# KiCad board hw-tele-stern.kicad_pcb (continued)
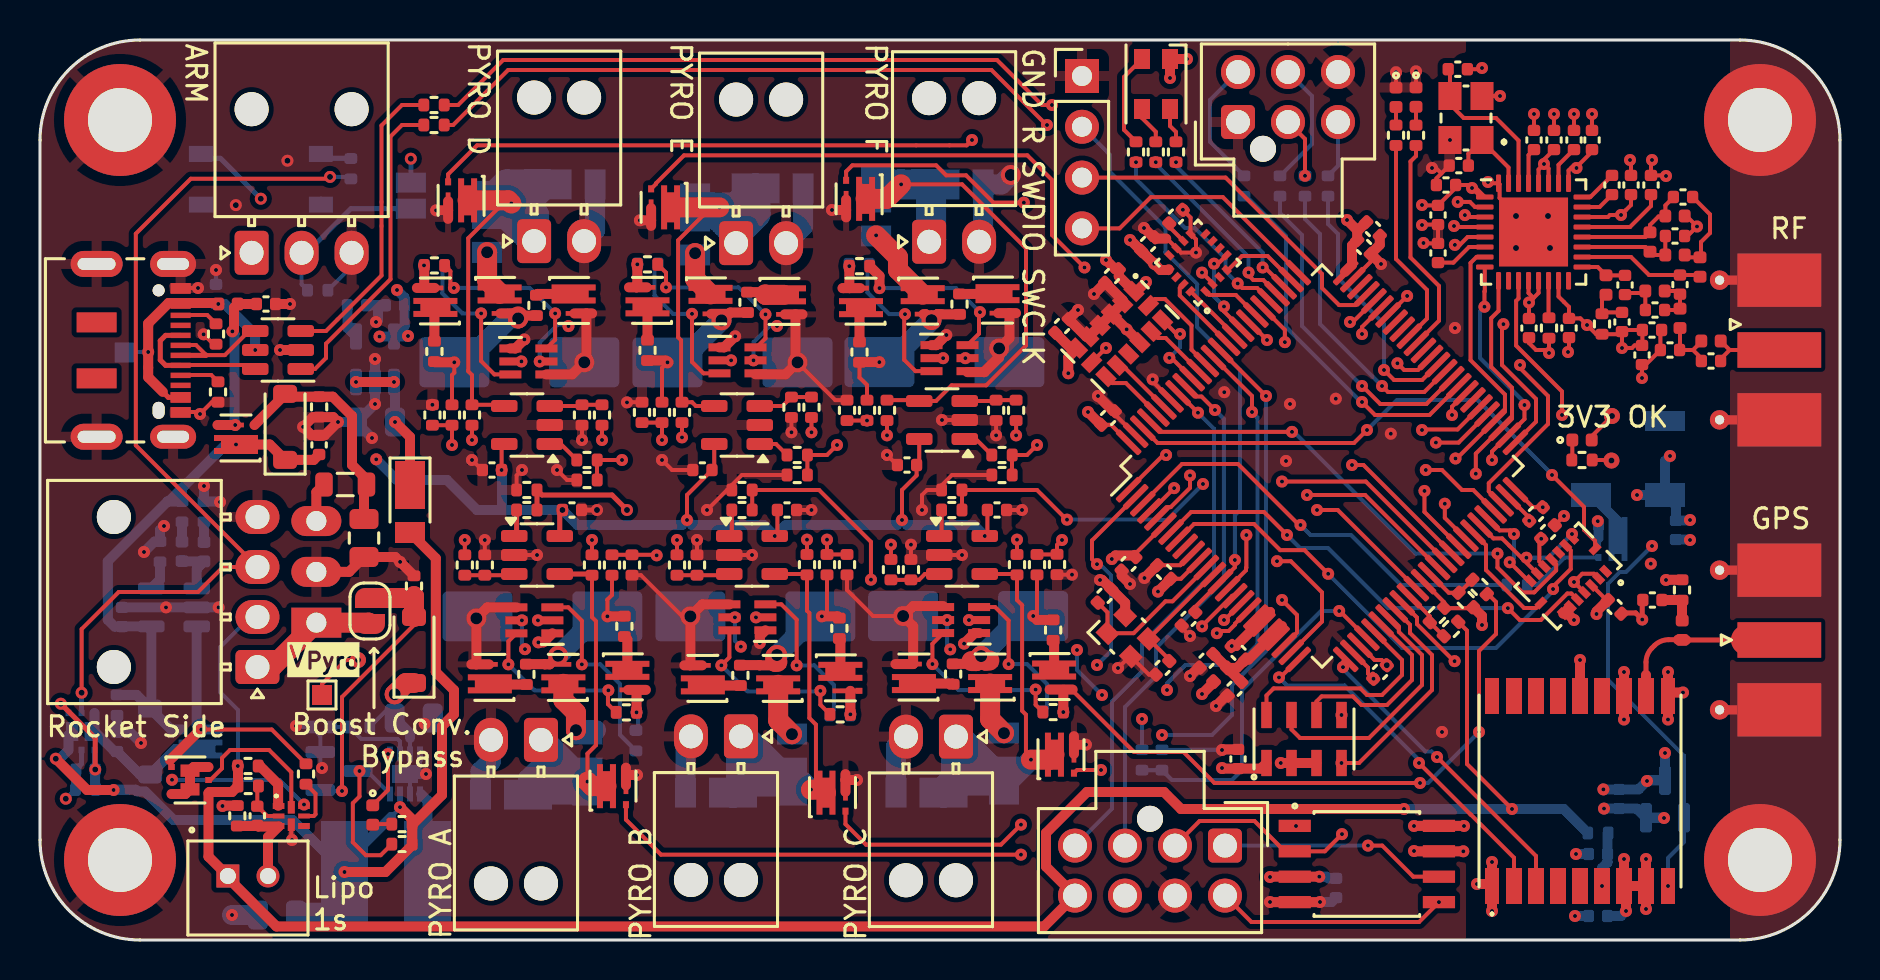
[diagram p0: board, top side]
## Routing (per net, layer and track width the routed paths; a pad name or vN(x,y) marks a point on that pad's centre or on a via; arc(x,y) is an arc through that point) (continued)
VBUS: length 8
  F.Cu (Sig+GND) w0.5: Q2.2 v1(9.76,25.75) ; v1(9.62,30.43) 9.7,30.51 9.7,31.61 FB1.2 C15.1
  B.Cu (Sig+12v) w0.5: v1(9.62,30.43) 9.73,30.32 9.73,25.78 v1(9.76,25.75)
+BATT: length 103.1
  F.Cu (Sig+GND) w0.2: v1(73.6,6.55) 71.35,8.8 71.35,15.47 R25.1
  F.Cu (Sig+GND) w0.5: v1(68.2,6.55) 57.05,6.55 56.2,7.4 52.35,7.4 50.3,5.35 50.3,3.67 J9.8 50.21,0.68 11.82,0.68 9.39,3.11 B1.1 8.42,4.17 Q5.4 8.48,7.4 9.6,7.4 R14.1 9.9,8.69 v1(9.89,8.7)
  B.Cu (Sig+12v) w0.2: J1.2 10.51,16.15 9,14.64 9,12.4 9.9,11.5 9.9,8.71 v1(9.89,8.7)
  B.Cu (Sig+12v) w0.5: v1(68.2,6.55) v1(73.6,6.55) 76.19,6.55 R32.2
-BATT: length 4.8
  F.Cu (Sig+GND) w0.5: B1.2 11.4,5.14 11.93,5.67 10.92,5.67 C13.1 10.84,5.7 R13.2
/ARM: length 104
  F.Cu (Sig+GND) w0.2: Q11.2 46.45,16 v1(46.45,16) ; v1(24.9,15.98) Q9.2 ; v1(24.07,28.93) 24.07,28.93 Q14.2 ; v1(45.16,29.09) 45.15,29.09 Q19.2 ; Q16.2 v1(34.56,28.98)
  In2.Cu (Sig) w0.2: J2.2 14.54,32.9 16.6,32.9 19.02,30.48 ; v1(51.85,14.5) 51.1,15.25 47.19,15.25 v1(46.45,16) 46.45,15.92 45.85,15.32 36.61,15.32 v1(35.8,16.13) 35.69,16.13 34.86,15.31 25.57,15.31 v1(24.9,15.98) 24.9,15.97 24.13,15.21 19.76,15.21 18.6,16.37 18.6,27.79 19.02,28.21 19.02,30.48 ; 19.02,30.48 22.52,30.48 v1(24.07,28.93) 24.93,29.78 33.75,29.78 v1(34.56,28.98) 35.33,29.76 44.49,29.76 v1(45.16,29.09) ; v1(53.1,12.25) 53.9,12.25 v1(55.1,11.05)
  B.Cu (Sig+12v) w0.2: R103.1 13.08,32.78 J2.2 ; v1(53.1,12.25) 51.85,13.5 v1(51.85,14.5) ; v1(55.1,11.05) R20.1
  B.Cu (Sig+12v) w0.25: JP2.1 15.54,36.56 13.34,34.36 J2.2
/arm_3v3: length 17.9
  F.Cu (Sig+GND) w0.2: U7.29 64.99,16.45 v1(64.96,16.45)
  B.Cu (Sig+12v) w0.2: v1(64.96,16.45) 64.05,16.45 60.1,12.5 60.1,8.5 59.6,8 56.59,8 R36.1 R20.2
/Barometer/CS: length 13.2
  F.Cu (Sig+GND) w0.2: v1(65.08,8.85) 65.95,8.85 69.6,12.5 69.6,14.25 68.5,15.35 68.5,15.76 U7.33
  In2.Cu (Sig) w0.2: v1(65.08,8.85) v1(65.08,11.25)
/Barometer/miso: length 9.7
  F.Cu (Sig+GND) w0.2: U7.31 68.6,14.25 68.6,13 67.35,11.75 66.08,11.75 65.64,12.18 64.08,12.18 63.83,11.92 U4.6
/Barometer/mosi: length 12.6
  F.Cu (Sig+GND) w0.2: U7.32 67.94,15.61 67.94,15.41 69.1,14.25 69.1,12.75 66.45,10.1 63,10.1 62.58,10.53 U4.7
/Barometer/sck: length 11.2
  F.Cu (Sig+GND) w0.2: U7.30 66.7,15.4 68.1,14 68.1,13.25 67.1,12.25 66.35,12.25 66.02,12.58 61.68,12.58 61.33,12.22 U4.8
/bat_cutoff: length 53.8
  F.Cu (Sig+GND) w0.2: v4(14.5,38.15) 14.41,38.06 7.54,38.06 4.79,35.31 4.79,24.73 J1.3 9.15,18.65 7.9,17.4 3.94,17.4 2.08,15.54 v4(2.08,12.36)
  In2.Cu (Sig) w0.2: v4(2.08,12.36) 2.08,9.85 1.79,9.56 1.79,8.31 1.29,7.81 v4(1.29,7.06)
  B.Cu (Sig+12v) w0.2: R3.2 1.75,7.53 v4(1.29,7.06) ; R174.1 15.44,38.15 v4(14.5,38.15)
  B.Cu (Sig+12v) w0.25: Q3.5 2.07,12.36 v4(2.08,12.36) ; C3.2 2.07,8.8 Q3.2
  B.Cu (Sig+12v) w0.5: R3.2 1.8,7.55 C3.2
/GPS/gps_ant_50ohm: length 10
  F.Cu (Sig+GND) w0.245: 82.3,15 85.3,15 ; IC2.11 80.3,13.89 arc(80.38,14.27) 80.59,14.59 80.72,14.72 arc(81.05,14.94) 81.43,15.02 81.9,15.02
  F.Cu (Sig+GND) w0.5: IC2.11 80.3,13.25 ; 82.3,15 82.11,15 82.1,15.02 81.9,15.02
  F.Cu (Sig+GND) w1.5: J91.1 85.3,15
/GPS/gps_vbckp: length 2.8
  B.Cu (Sig+12v) w0.5: R32.1 78.38,5.32 C49.1 78.38,3.88 78.1,3.6 v1(78.1,2.7)
/GPS/gps_vcc_rf: length 10
  F.Cu (Sig+GND) w0.5: v1(81.3,18) 81.31,18.01 R64.1 ; IC2.14 v1(77,14)
  In2.Cu (Sig) w0.5: v1(81.3,18) 81.3,15.61 81.3,15.61 79.79,14.1 77.1,14.1 v1(77,14)
/GPS/rx: length 18.3
  F.Cu (Sig+GND) w0.2: IC2.2 73.7,4.11 71.54,6.28 71.52,6.28 v1(68.95,8.85) ; U7.25 62.01,13.13 v1(61.95,13.13)
  B.Cu (Sig+12v) w0.2: v1(61.95,13.13) 62.35,12.72 65.23,12.72 68.95,9 v1(68.95,8.85)
/GPS/tx: length 15.6
  F.Cu (Sig+GND) w0.2: U7.26 65.15,13.9 v1(65.15,13.64) ; IC2.3 74.8,4.2 v1(69.85,9.15)
  B.Cu (Sig+12v) w0.2: v1(69.85,9.15) 69.57,9.42 69.27,9.42 65.15,13.55 v1(65.15,13.64)
/High-G-Accelerometer/CS: length 18
  F.Cu (Sig+GND) w0.2: U3.7 v1(53.3,29.6) ; v1(67.87,28.84) 68.21,28.5 68.9,28.5 U7.63
  In2.Cu (Sig) w0.2: v1(53.3,29.6) 53.36,29.66 57.19,29.66 57.65,29.2 67.51,29.2 v1(67.87,28.84)
/High-G-Accelerometer/INT1: length 3.3
  F.Cu (Sig+GND) w0.2: U7.96 54.3,27.85 53.63,27.85 U3.8
/High-G-Accelerometer/INT2: length 3.2
  F.Cu (Sig+GND) w0.2: U3.9 54.11,28.74 U7.95
/High-G-Accelerometer/miso: length 3.2
  F.Cu (Sig+GND) w0.2: U3.12 55.9,30.1 56.29,30.1 U7.90
/High-G-Accelerometer/mosi: length 4.2
  F.Cu (Sig+GND) w0.2: v1(57,30.3) 56.83,30.3 U3.13 ; U7.91 56.57,29.11 v1(56.47,29.11)
  B.Cu (Sig+12v) w0.2: v1(57,30.3) 57,29.64 v1(56.47,29.11)
/High-G-Accelerometer/sck: length 5.1
  F.Cu (Sig+GND) w0.2: U7.89 57.58,29.52 57.58,30.72 56.25,32.05 55.75,32.05 U3.14
/IMU/CS_accel: length 25.6
  F.Cu (Sig+GND) w0.2: v1(64.41,18.31) 63.23,19.49 62.01,19.49 60.7,20.8 57.7,20.8 56.94,20.04 U7.8 ; U12.14 76.54,19.48 76.54,18.55 75.65,17.67 v1(75.65,17.55)
  B.Cu (Sig+12v) w0.2: v1(75.65,17.55) 75.65,17.45 72.8,14.6 68.11,14.6 64.41,18.3 v1(64.41,18.31)
/IMU/CS_gyro: length 23.6
  F.Cu (Sig+GND) w0.2: v1(73.39,16.59) 73.99,16 75.04,16 76.37,17.33 76.57,17.33 U12.5 ; v1(62.35,20.25) 61.2,21.4 57.56,21.4 U7.7
  B.Cu (Sig+12v) w0.2: v1(62.35,20.25) 63,19.6 64.4,19.6 67.41,16.59 v1(73.39,16.59)
/IMU/INT_accel: length 27.8
  F.Cu (Sig+GND) w0.2: v1(66.35,25.5) 65.7,24.85 55.88,24.85 U7.98 ; U12.16 77.75,19.96 77.2,20.51 77.2,21.65 v1(75.6,23.25)
  B.Cu (Sig+12v) w0.2: v1(75.6,23.25) 75.6,23.28 71.88,27 67.85,27 v1(66.35,25.5)
/IMU/INT_gyro: length 25.4
  F.Cu (Sig+GND) w0.2: v1(62.6,25.41) 56.03,25.41 U7.97 ; v1(72.87,19.32) 72.87,18.63 74.12,17.38 74.7,17.38 75.81,18.48 75.81,18.79 U12.12
  B.Cu (Sig+12v) w0.2: v1(72.87,19.32) 68.78,19.32 62.69,25.41 v1(62.6,25.41)
/IMU/miso: length 7
  F.Cu (Sig+GND) w0.2: 74.19,18.99 74.2,18.99 v1(74.32,19.11) 74.3,19.09 74.1,19.09 73.11,20.08 72.67,20.08 U7.45 ; U12.10 74.32,18.86 ; v1(76.6,20.3) 76.64,20.26 U12.15
  B.Cu (Sig+12v) w0.2: v1(74.32,19.11) 75.41,19.11 v1(76.6,20.3)
/IMU/mosi: length 4.6
  F.Cu (Sig+GND) w0.2: U12.9 74.41,17.96 v1(73.49,18.89) ; U7.46 72.98,20.48 73.52,20.48 v1(73.7,20.3)
  B.Cu (Sig+12v) w0.2: v1(73.49,18.89) 73.7,19.1 v1(73.7,20.3)
/IMU/sck: length 5.8
  F.Cu (Sig+GND) w0.2: U12.8 74.8,16.6 74.2,16.6 72.3,18.5 72.3,19.74 U7.44
/Magnetometer/CS: length 4
  F.Cu (Sig+GND) w0.2: U7.77 61.38,34.2 60.1,34.2 59.4,33.5 U9.4
/Magnetometer/int: length 4
  F.Cu (Sig+GND) w0.2: U9.15 56.99,32.6 56.99,32.23 U7.86
/Magnetometer/miso: length 4.7
  F.Cu (Sig+GND) w0.2: U9.5 58.91,33.82 v1(58.7,33.82) ; v1(59.2,31.68) 59.2,31.43 U7.84
  B.Cu (Sig+12v) w0.2: v1(58.7,33.82) 58.7,32.17 v1(59.2,31.68)
/Magnetometer/mosi: length 3.2
  F.Cu (Sig+GND) w0.2: U7.85 59.73,30.23 U9.16
/Magnetometer/sck: length 3
  F.Cu (Sig+GND) w0.2: U7.82 59.79,32.25 58.46,32.25 U9.1
/microcontroller/beeper: length 21.6
  F.Cu (Sig+GND) w0.2: v1(63.02,20.75) 62.95,20.75 59.9,23.8 57.1,23.8 55.14,21.84 U7.3
  B.Cu (Sig+12v) w0.2: v1(63.02,20.75) 63.52,20.25 65.55,20.25 68.05,17.75 R50.2
/microcontroller/cs_companion0: length 26
  F.Cu (Sig+GND) w0.2: v1(58.75,26.5) 58.07,27.17 57.8,27.17 U7.92
  B.Cu (Sig+12v) w0.2: v1(58.75,26.5) 59.19,26.06 59.19,17.99 55.8,14.6 55.8,13.2 54.25,11.65 J9.3
/microcontroller/cs_companion1: length 26.3
  F.Cu (Sig+GND) w0.2: v1(57.9,26.36) 57.44,26.82 U7.93
  B.Cu (Sig+12v) w0.2: J9.4 53.6,6.57 53.6,11.92 55.1,13.42 55.1,14.8 58.7,18.4 58.7,25.56 v1(57.9,26.36)
/microcontroller/cs_flash: length 25.9
  F.Cu (Sig+GND) w0.2: U7.58 70.6,26.66 v1(70.6,26.25) ; v1(62.8,5.7) 62.8,5.7 U5.1
  In2.Cu (Sig) w0.2: v1(62.8,5.7) 64.35,7.25 64.35,11.75 67.85,15.25 67.85,18.25 70.79,21.19 70.79,22.19 70.04,22.94 70.04,24.19 70.6,24.75 v1(70.6,26.25)
/microcontroller/led_green: length 10.5
  F.Cu (Sig+GND) w0.2: U7.66 69.35,31.07 69.35,32.5 67.8,34.05 R53.1
/microcontroller/led_red: length 11.1
  F.Cu (Sig+GND) w0.2: U7.65 69.95,30.96 69.95,32.7 68.52,34.12 68.52,38.92 68.8,39.2 R52.1
/microcontroller/pwm_a: length 18.5
  F.Cu (Sig+GND) w0.2: v1(66.1,26.9) 66.75,26.25 69.48,26.25 70.94,27.71 U7.59
  B.Cu (Sig+12v) w0.2: v1(66.1,26.9) 66.05,26.9 62.3,30.65 62.3,35.2 60.31,37.19 R40.2
/microcontroller/pwm_b: length 16.6
  F.Cu (Sig+GND) w0.2: v1(66.1,27.7) 66.11,27.7 67.01,26.8 69.32,26.8 U7.60
  B.Cu (Sig+12v) w0.2: R41.2 62,36.35 63.1,35.25 63.1,30.7 v1(66.1,27.7)
/microcontroller/pwm_c: length 14.8
  F.Cu (Sig+GND) w0.2: U7.61 69.21,27.4 67.4,27.4 v1(67.1,27.7)
  B.Cu (Sig+12v) w0.2: R43.2 63.25,36.05 64,35.3 64,30.8 v1(67.1,27.7)
/microcontroller/pwm_d: length 13.1
  F.Cu (Sig+GND) w0.2: v1(67.2,28.5) 67.7,28 69.11,28 U7.62
  B.Cu (Sig+12v) w0.2: v1(67.2,28.5) 67.2,30.8 64.9,33.1 64.9,35.3 64.4,35.8 R42.2
/microcontroller/reset_n: length 28.5
  F.Cu (Sig+GND) w0.2: C610.1 57.76,16.66 U7.14 59.74,18.64 v1(59.74,19)
  B.Cu (Sig+12v) w0.2: v1(59.74,19) 59.74,21.24 60,21.5 60,28.5 57.86,30.64 57.86,32.79 56.27,34.39 56.27,35.63 53.5,38.4 53.5,39.26 J20.2
/microcontroller/rgb_led_blue: length 8.5
  F.Cu (Sig+GND) w0.2: v1(61.13,33.63) 61.25,33.63 U7.78
  B.Cu (Sig+12v) w0.2: v1(56.8,38.89) 56.8,38.7 61.13,34.37 v1(61.13,33.63)
/microcontroller/rgb_led_green: length 9.4
  F.Cu (Sig+GND) w0.2: U7.79 61.16,33 60.66,33 60.43,33.24 v1(60.43,33.37)
  B.Cu (Sig+12v) w0.2: v1(55.79,38.89) 55.79,38.79 60.43,34.16 v1(60.43,33.37)
/microcontroller/rgb_led_red: length 10.4
  F.Cu (Sig+GND) w0.2: U7.80 60.86,32.6 60.11,32.6 v1(59.89,32.83)
  B.Cu (Sig+12v) w0.2: v1(59.89,32.83) 59.28,33.43 59.28,34.05 57.73,35.6 57.24,35.6 54.8,38.04 v1(54.8,38.89)
/microcontroller/servo_a: length 6.5
  B.Cu (Sig+12v) w0.2: J21.4 58.5,42 58.5,39.91 R40.1
/microcontroller/servo_b: length 6.4
  B.Cu (Sig+12v) w0.2: R41.1 62.01,38.21 63.6,39.8 63.6,42.2 J21.5
/microcontroller/servo_c: length 3
  F.Cu (Sig+GND) w0.2: v1(63.25,38.21) 63.25,40.05 J21.2
/microcontroller/servo_d: length 2.9
  B.Cu (Sig+12v) w0.2: R42.1 64.9,38.71 J21.3
/microcontroller/stm32_usbd+: length 53.9
  F.Cu (Sig+GND) w0.2: v1(65.5,30.9) 65.64,30.9 U7.71 ; v1(50.6,41.75) 50.1,41.75 47.85,44 23.16,44 20.91,41.75 R55.1
  In2.Cu (Sig) w0.2: v1(50.6,41.75) 50.61,41.76 52.56,41.76 53.54,40.78 56.57,40.78 63.85,33.5 63.85,32.5 65.45,30.9 v1(65.5,30.9)
/microcontroller/stm32_usbd-: length 55.6
  F.Cu (Sig+GND) w0.2: 50.32,40.75 47.57,43.5 23.41,43.5 20.66,40.75 R54.1 ; U7.70 66.1,30.65 v1(66.1,30.3)
  In2.Cu (Sig) w0.2: v1(50.35,40.75) 51.54,39.56 52.56,39.56 53.32,40.32 56.28,40.32 63.08,33.53 63.08,32.3 65.17,30.2 66,30.2 v1(66.1,30.3)
/microcontroller/swclk: length 13
  F.Cu (Sig+GND) w0.2: J20.4 53.98,35.58 55.54,37.14 59.14,37.14 U7.76
/microcontroller/swdio: length 17.5
  F.Cu (Sig+GND) w0.2: U7.72 65.78,31.75 64.95,31.75 64.1,32.6 64.1,33.3 59.28,38.12 J20.3
/microcontroller/v_batt: length 2.7
  F.Cu (Sig+GND) w0.2: U7.35 69.49,16.19 R26.1 R25.2
/microcontroller/v_pbatt: length 2.7
  F.Cu (Sig+GND) w0.2: U7.38 70.44,17.36 70.96,17.36 R27.2
/microcontroller/xtal_1: length 8
  F.Cu (Sig+GND) w0.2: C32.2 53.37,16.38 X2.1 54.68,15.34 56.28,16.93 56.63,16.93 U7.12
/microcontroller/xtal_2: length 6.1
  F.Cu (Sig+GND) w0.2: U7.13 58.64,18.27 X2.3 56.46,14.02 C33.2
/POWER/boost_lx: length 4
  B.Cu (Sig+12v) w0.5: 19.05,7.3 19.38,6.97 L2.2
/POWER/traco_clean: length 11.5
  F.Cu (Sig+GND) w0.5: Q2.1 12.25,27.28 D3.2 12.39,27.17 R2.1 14.64,27.17 15.6,26.2 15.6,23.75 16.32,23.03 L1.2 16.2,22.65 C1.2
/POWER/v_bypass: length 14.6
  F.Cu (Sig+GND) w0.2: v1(15.1,7.45) 15.1,12.15 18.7,15.75 D7.2
  F.Cu (Sig+GND) w1: D7.2 R104.2 18.61,17.1 JP1.2
  B.Cu (Sig+12v) w0.2: v1(15.1,7.45) 14.01,7.45
/POWER/v_charge: length 28.1
  F.Cu (Sig+GND) w0.5: C4.1 13.69,24 D3.1 11.48,24.78 v1(9.8,24.78)
  B.Cu (Sig+12v) w0.5: v1(9.8,24.78) 9.29,24.78 7.1,22.59 ; 7.1,22.59 R7.1 6.38,21.92 ; 7.1,22.59 6.44,21.92 6.38,21.92 ; D1.2 6.56,10.53 Q1.1 ; D1.2 4.83,12.25 R1.1 ; D1.2 5.56,11.64 U2.4 4.11,15.68 C6.1 3.73,15.67 3.39,16.01 3.39,18.94 6.38,21.92
/POWER/v_ldo_in: length 7.4
  F.Cu (Sig+GND) w0.5: v1(17.75,25.9) 18.5,25.15 D8.1 ; v1(17.7,27.9) v1(15.8,27.9)
  B.Cu (Sig+12v) w0.5: v1(17.7,27.9) 17.75,27.85 v1(17.75,25.9)
/POWER/v_pack: length 14.7
  F.Cu (Sig+GND) w0.2: R11.1 11.59,10.53 v1(8.06,10.53) ; 6.5,9 6.58,8.92 Q5.1
  F.Cu (Sig+GND) w0.5: 6.5,9 8.03,10.53 v1(8.06,10.53)
  B.Cu (Sig+12v) w0.5: Q1.2 v1(8.06,10.53) 7.84,10.75 U2.3
/POWER/v_radiosilence_bidirect: length 6.6
  F.Cu (Sig+GND) w0.25: v4(1.04,11.81) 2.76,10.09 v4(2.76,8.53)
  B.Cu (Sig+12v) w0.25: v4(2.76,8.53) 2.72,8.56 Q3.1 ; Q3.4 1.42,11.43 v4(1.04,11.81)
  B.Cu (Sig+12v) w0.5: v4(2.76,8.53) 2.76,7.55 R3.1
/POWER/v_system: length 48.1
  F.Cu (Sig+GND) w0.5: R5.2 18.61,6.03 v1(18,6.64) ; R5.2 R6.2 18.61,4.74 17.27,3.4 v1(15.23,3.4) ; R5.2 18.64,5.79 20.1,7.25 20.1,10.69 20.7,11.29 20.7,12.49 19.79,13.4 19.79,19.08 D8.2 ; v4(0.79,9.06) 2.35,7.5 v1(3.68,7.5)
  B.Cu (Sig+12v) w0.2: 17.55,6.15 18,6.6 IC1.3
  B.Cu (Sig+12v) w0.5: v1(3.68,7.5) 3.69,7.51 4.78,7.51 4.86,7.43 5.25,7.43 6.68,6 12.62,6 v1(15.23,3.4) 15.23,3.83 17.55,6.15 ; Q3.3 1.42,10.24 Q3.3 0.99,9.06 v4(0.79,9.06)
  B.Cu (Sig+12v) w1: 14.75,1.37 12.92,1.37 C5.2
/POWER/v_system_selected: length 7.9
  B.Cu (Sig+12v) w0.5: Q3.6 2.72,10.61 Q3.6 2.73,10.42 3.73,9.42 C2.1 5,8.28 D1.1 6.78,9.55 Q1.3
/power_good: length 43
  F.Cu (Sig+GND) w0.2: v1(70.89,36.9) 71.5,36.9 71.75,36.65 U6.2
  In2.Cu (Sig) w0.2: v1(80.6,19.7) 80.6,22.9 74.88,28.62 74.88,30.33 73.6,31.6 73.6,32.3 71.93,33.97 71.93,36.37 71.4,36.9 v1(70.89,36.9)
  B.Cu (Sig+12v) w0.2: v1(80.6,19.7) 79.3,18.4 78.99,18.4 78.4,17.81 78.4,13.01 82.2,9.21 U13.1 82.2,4.9 81.4,4.1 v1(81.4,2.7)
/PYRO A/cap_voltage: length 35.6
  F.Cu (Sig+GND) w0.2: v1(30.83,19.23) 30.81,19.26 R94.1 R93.2 ; v1(58.1,15.68) 58.1,15.7 59.61,17.21 U7.16
  In2.Cu (Sig) w0.2: v1(58.1,15.68) 57.8,15.99 57.8,16.3 54.5,19.6 51.95,19.6 50.37,18.02 43.05,18.02 42.05,19.02 37.3,19.02 36.3,18.02 32.05,18.02 v1(30.83,19.23)
/PYRO A/fire: length 60.2
  F.Cu (Sig+GND) w0.2: v1(61.3,27.2) 59.57,28.93 59.57,28.94 U7.87 ; Q9.5 v1(24.1,15.98)
  In2.Cu (Sig) w0.2: v1(24.25,14.54) 25.76,13.03 31.06,13.03 31.73,12.37 38.15,12.37 38.79,13.01 39.25,13.01 39.79,12.47 48.95,12.47 49.55,13.07 51,13.07 53.82,10.25 v1(56.1,10.25)
  B.Cu (Sig+12v) w0.2: v1(24.25,14.54) 24.1,14.7 v1(24.1,15.98) ; v1(61.3,27.2) 61.3,14.45 59.6,12.75 59.6,11.25 58.6,10.25 v1(56.1,10.25)
/PYRO A/pyro_charge_prelimit: length 1.8
  F.Cu (Sig+GND) w0.5: Q12.3 29.37,15.02 R34.1
/PYRO A/pyro_discharge: length 1.8
  F.Cu (Sig+GND) w0.5: R35.1 22.53,12.77 Q13.3
/PYRO A/pyro_ign+: length 26.4
  F.Cu (Sig+GND) w0.2: R38.2 27.6,16.14 27.8,15.94 27.8,9.74 27.37,9.32 v1(27.37,7.92)
  F.Cu (Sig+GND) w0.25: R38.2 27.54,18.3 U16.4
  F.Cu (Sig+GND) w1: v1(27.37,7.92) 27.6,7.69 Q24.3
  B.Cu (Sig+12v) w1: 25.6,7.75 25.05,8.3 25.05,8.7 ; 25.05,8.7 24.4,8.05 D17.1 26.72,7.27 v1(27.37,7.92) 25.29,10.01 J3.1 ; 25.05,8.7 J3.1 ; J3.1 25.05,9.3 26.35,8
/PYRO A/pyro_narm: length 8.6
  F.Cu (Sig+GND) w0.2: v1(23.42,13.78) 23.42,14.93 Q9.6 ; v1(28.42,12.48) Q12.1 28.4,12.46 28.4,11.79 R33.2
  B.Cu (Sig+12v) w0.2: v1(23.42,13.78) 24.72,12.48 v1(28.42,12.48)
/PYRO A/pyro_nfire: length 9.9
  F.Cu (Sig+GND) w0.2: Q9.3 26.42,16.63 27.09,15.96 v1(27.09,13.78)
  B.Cu (Sig+12v) w0.2: v1(27.09,13.78) 28.02,13.78 28.99,12.81 28.99,11.47 29,11.46 29,10.26 R37.2
/PYRO A/pyro_unprotected: length 3.6
  F.Cu (Sig+GND) w1: Q15.3 26.17,12 26.8,11.37 v3(26.8,10.49)
  B.Cu (Sig+12v) w1: 27.8,10.49 v3(26.8,10.49)
/PYRO A/pyro_vcap: length 8.1
  F.Cu (Sig+GND) w0.2: R93.1 28.6,17.25 28.37,17.02 v1(28.37,16.18)
  F.Cu (Sig+GND) w0.5: v3(25.91,14.21) 25.48,13.78 Q15.2 25.23,13.79 R35.2 ; R34.2 29.21,16.18 v1(28.37,16.18)
  B.Cu (Sig+12v) w1: v3(25.91,14.21) 27.88,16.18 v1(28.37,16.18)
/PYRO A/pyro_wsbridge_ref: length 2.5
  F.Cu (Sig+GND) w0.2: R39.2 R44.1 23.65,18.24 U16.3
/PYRO A/sense: length 60.7
  F.Cu (Sig+GND) w0.2: U7.55 70.93,24.87 v1(69.8,24.87)
  F.Cu (Sig+GND) w0.25: R45.2 R46.1 25.1,22.25 28.6,22.25 v4(29.35,21.5)
  In2.Cu (Sig) w0.2: v1(69.8,24.87) 69.47,24.87 67.29,22.69 67.29,22.08 63.6,18.39 63.6,16.8 60,13.2 58.3,13.2 57.35,14.15 53.55,14.15 50.63,17.07 31.03,17.07 29.35,18.75 v4(29.35,21.5)
/PYRO A/short: length 55.4
  F.Cu (Sig+GND) w0.2: v1(70.24,21.81) 70.24,21.11 71.29,20.05 U7.43 ; v1(49.05,4.27) 31.05,4.27 29.3,6.02 Q24.1
  In2.Cu (Sig) w0.2: v1(49.05,4.27) 51.93,7.15 61.5,7.15 63.35,9 63.35,12.78 67.07,16.5 67.1,16.5 67.1,18.62 70.24,21.76 v1(70.24,21.81)
/PYRO A/ws_comp: length 1.3
  F.Cu (Sig+GND) w0.25: R45.1 23.83,20.32 U16.1
/PYRO B/cap_voltage: length 26.3
  F.Cu (Sig+GND) w0.2: v1(39.35,20.02) R91.2 R92.1 ; v1(59.2,16) 59.23,16 U7.17
  In2.Cu (Sig) w0.2: v1(39.35,20.02) 39.37,20.02 41.6,22.25 52.85,22.25 59.1,16 v1(59.2,16)
/PYRO B/fire: length 45.8
  F.Cu (Sig+GND) w0.2: U7.88 60.6,27.2 v1(60.6,26.4) ; Q6.5 v1(34.75,16.13)
  In2.Cu (Sig) w0.2: v1(35.04,14.67) 36.64,13.07 38.35,13.07 38.71,13.43 43.74,13.43 44.34,12.82 48.8,12.82 49.41,13.43 51.67,13.43 52.1,13 54.35,13 54.85,12.5 v1(56.35,12.5)
  B.Cu (Sig+12v) w0.2: v1(56.35,12.5) 56.35,12.83 57.27,13.75 59.85,13.75 60.87,14.77 60.87,26.13 v1(60.6,26.4) ; v1(34.75,16.13) 34.75,14.96 v1(35.04,14.67)
/PYRO B/pyro_charge_prelimit: length 1.7
  F.Cu (Sig+GND) w0.5: R18.1 40.02,15.02 Q7.3
/PYRO B/pyro_discharge: length 1.9
  F.Cu (Sig+GND) w0.5: R19.1 33.18,12.72 Q8.3
/PYRO B/pyro_ign+: length 23.9
  F.Cu (Sig+GND) w0.2: v1(38.55,7.52) 38.8,7.77 38.8,10.77 38.47,11.1 38.47,16.35 38.35,16.47 R22.2 38.31,18.3 U17.4
  F.Cu (Sig+GND) w1: Q26.3 39.15,7.52 v1(38.55,7.52)
  B.Cu (Sig+12v) w1: v1(38.55,7.52) 38.15,7.92 D11.1
  B.Cu (Sig+12v) w1.5: D11.1 35.2,7.92 D16.1 35.05,7.77 J4.1 37.31,7.92
/PYRO B/pyro_narm: length 8.9
  F.Cu (Sig+GND) w0.2: R17.2 39.02,11.76 v1(39.02,12.46) Q7.1 ; Q6.6 34.47,14.13 v1(34.07,13.73)
  B.Cu (Sig+12v) w0.2: v1(39.02,12.46) 38.99,12.43 35.37,12.43 v1(34.07,13.73)
/PYRO B/pyro_nfire: length 7.9
  F.Cu (Sig+GND) w0.2: Q6.3 37.07,16.78 37.83,16.02 v1(37.83,13.73)
  B.Cu (Sig+12v) w0.2: v1(37.83,13.73) 38.72,13.73 39.7,12.75 39.7,11.52 39.52,11.34
/PYRO B/pyro_unprotected: length 2.8
  F.Cu (Sig+GND) w1: Q10.3 36.91,10.98 v3(37.6,10.29)
/PYRO B/pyro_vcap: length 8.4
  F.Cu (Sig+GND) w0.2: v1(39.09,16.18) 39.35,16.44 R91.1
  F.Cu (Sig+GND) w0.5: R18.2 39.88,16.18 v1(39.09,16.18) ; R19.2 35.97,13.74 Q10.2 Q10.2
  F.Cu (Sig+GND) w1: 36.87,13.91 36.77,13.91 36.77,14.17 v3(36.85,14.25)
  B.Cu (Sig+12v) w1: v3(36.85,14.25) 38.78,16.18 C16.1
/PYRO B/pyro_wsbridge_ref: length 2.6
  F.Cu (Sig+GND) w0.2: R23.2 R24.1 34.4,18.24 U17.3
/PYRO B/sense: length 49.1
  F.Cu (Sig+GND) w0.2: U7.56 70.88,25.53 69.13,25.53 v1(69.1,25.5) ; R29.2 R31.1 38.95,22.5 41.55,19.91 v1(41.55,18.02)
  In2.Cu (Sig) w0.2: v1(69.1,25.5) 66.54,22.94 66.54,22.44 63.1,19 63.1,17 59.7,13.6 58.4,13.6 57.5,14.5 53.69,14.5 50.78,17.42 42.14,17.42 v1(41.55,18.02)
/PYRO B/short: length 44.1
  F.Cu (Sig+GND) w0.2: v1(49.05,5.77) 48.05,4.77 41.3,4.77 40.27,5.79 Q26.1 ; U7.42 69.22,21.4 v1(69.22,22.45)
  In2.Cu (Sig) w0.2: v1(49.05,5.77) 51.03,7.75 60.1,7.75 61.1,8.75 61.1,11.5 66.35,16.75 66.35,19.31 69.22,22.19 v1(69.22,22.45)
/PYRO B/ws_comp: length 1.4
  F.Cu (Sig+GND) w0.2: U17.1 34.59,20.33 R29.1
/PYRO C/cap_voltage: length 14
  F.Cu (Sig+GND) w0.2: v1(58.84,15.34) 58.95,15.45 59.43,15.45 59.75,15.77 59.75,15.82 U7.18 ; R96.1 50.85,19.75 v1(51.1,20) ; R95.2 50.84,19.28
  In2.Cu (Sig) w0.2: v1(51.1,20) 51.35,20.25 54.35,20.25 58.65,15.95 58.65,15.77 58.84,15.58 v1(58.84,15.34)
/PYRO C/fire: length 19.9
  F.Cu (Sig+GND) w0.2: U7.2 52.6,19.98 52.6,19.04 v1(52.85,18.79) ; Q11.5 v1(45.36,16)
  In2.Cu (Sig) w0.2: v1(52.85,13.75) 52.82,13.78 49.26,13.78 48.73,13.25 46.8,13.25 v1(45.51,14.53)
  B.Cu (Sig+12v) w0.2: v1(52.85,13.75) 53.55,14.45 53.55,18.23 52.99,18.79 v1(52.85,18.79) ; v1(45.36,16) 45.36,14.69 v1(45.51,14.53)